# Altium PCB base-32-bit.PcbDoc (part 1 of 3)
Units mm, origin at the board's own origin, x right, y up, seen from the top; angles counter-clockwise.
Board outline 35.56 x 44.45 mm, 4 copper layers (Top Layer, GND, PWR, Bottom Layer), stack 0.603 mm thick; 71 components, 133 nets, 539 pads, 361 vias.
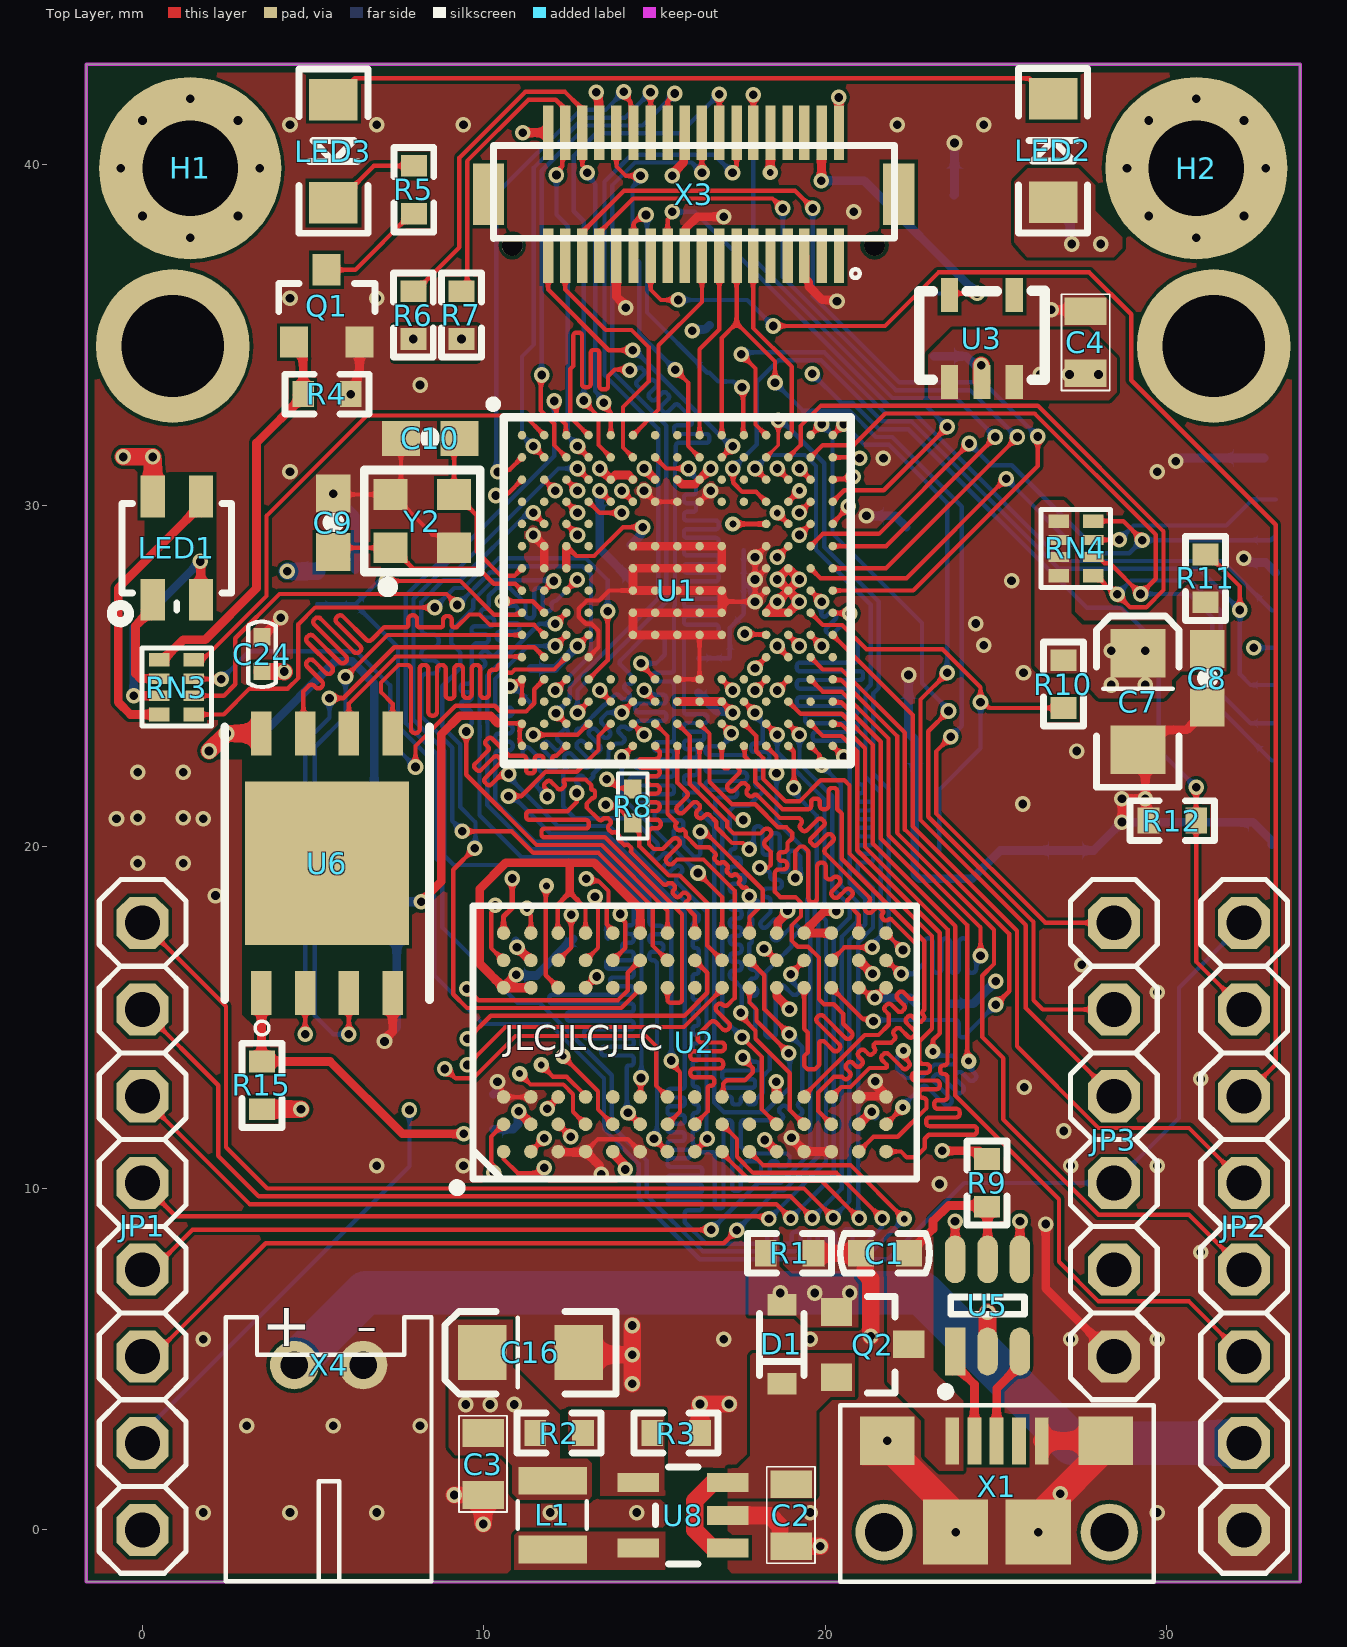
[diagram p0: Top Layer view]
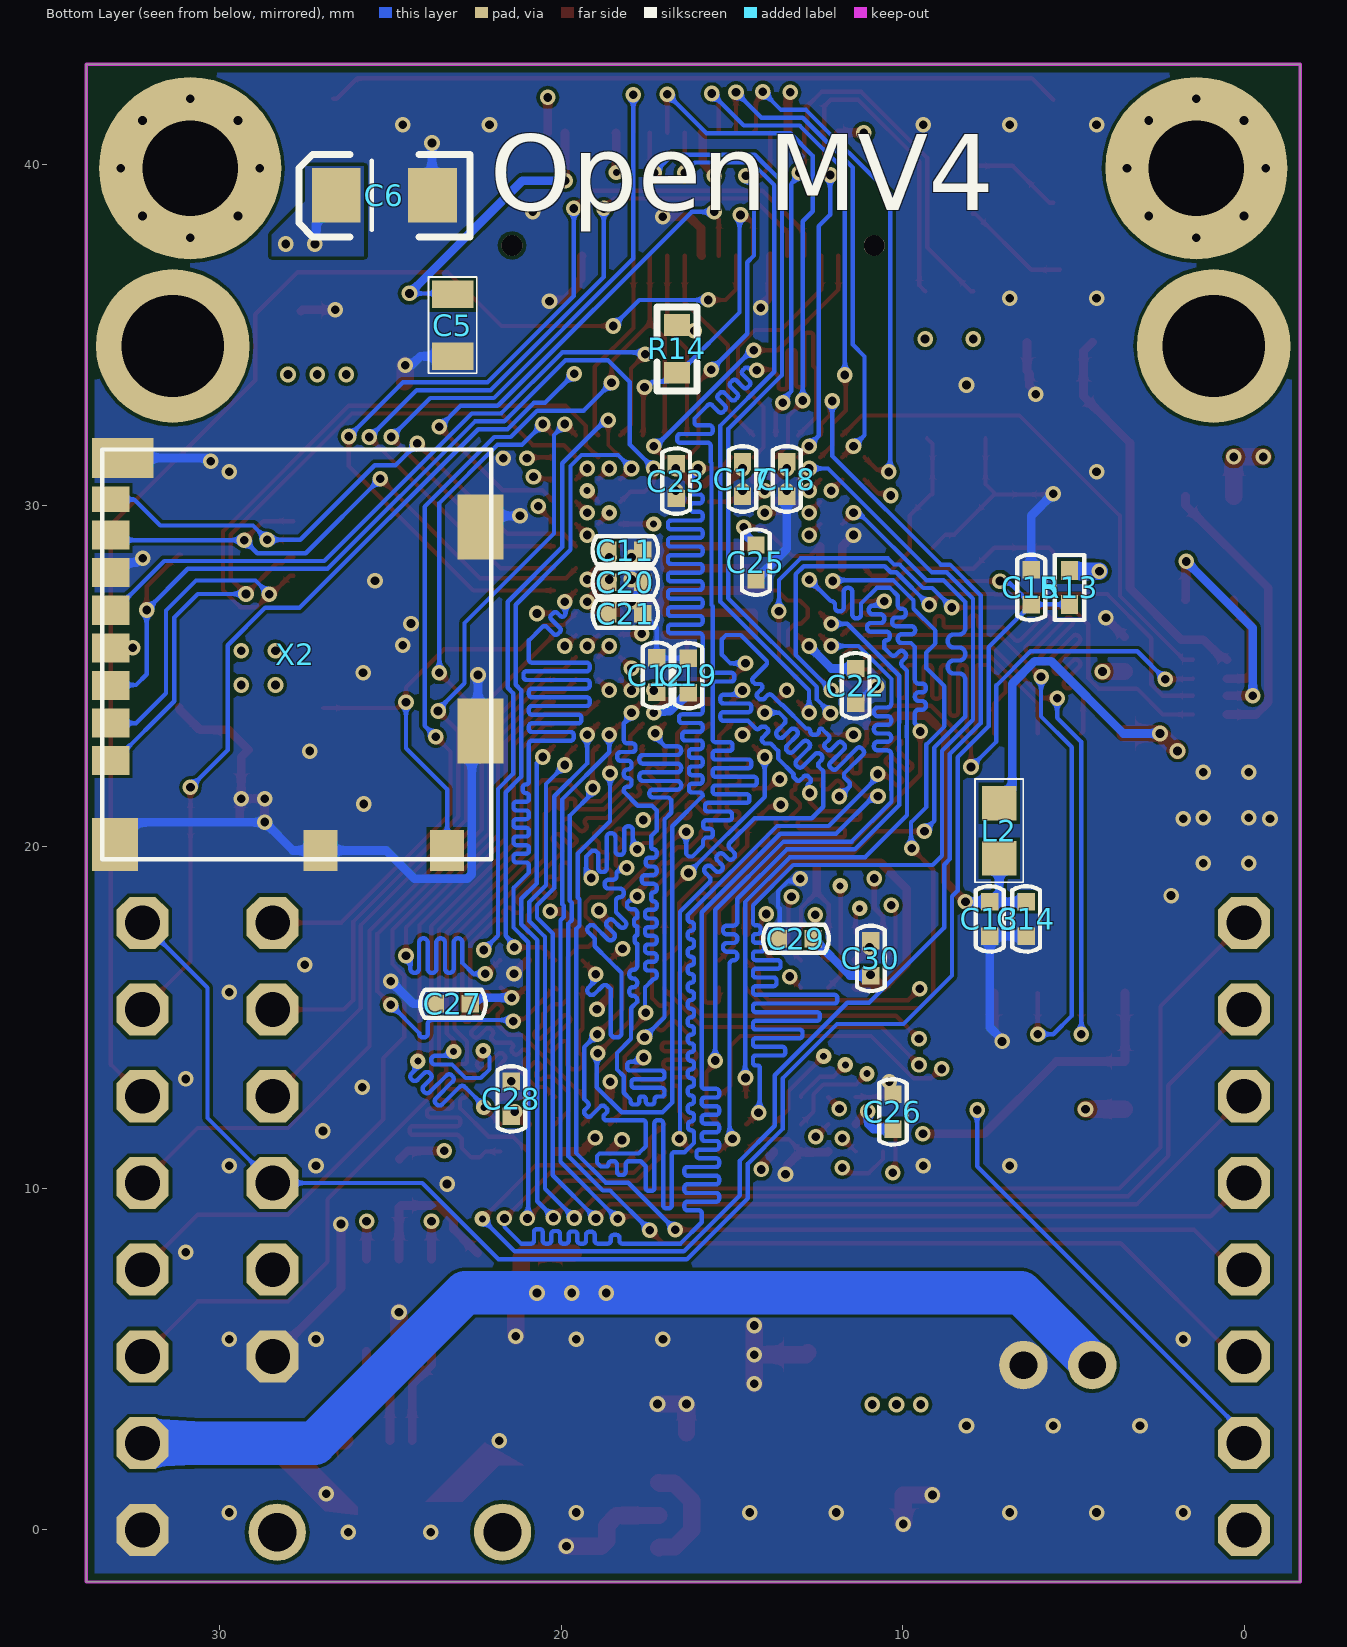
[diagram p1: Bottom Layer view, seen from below]
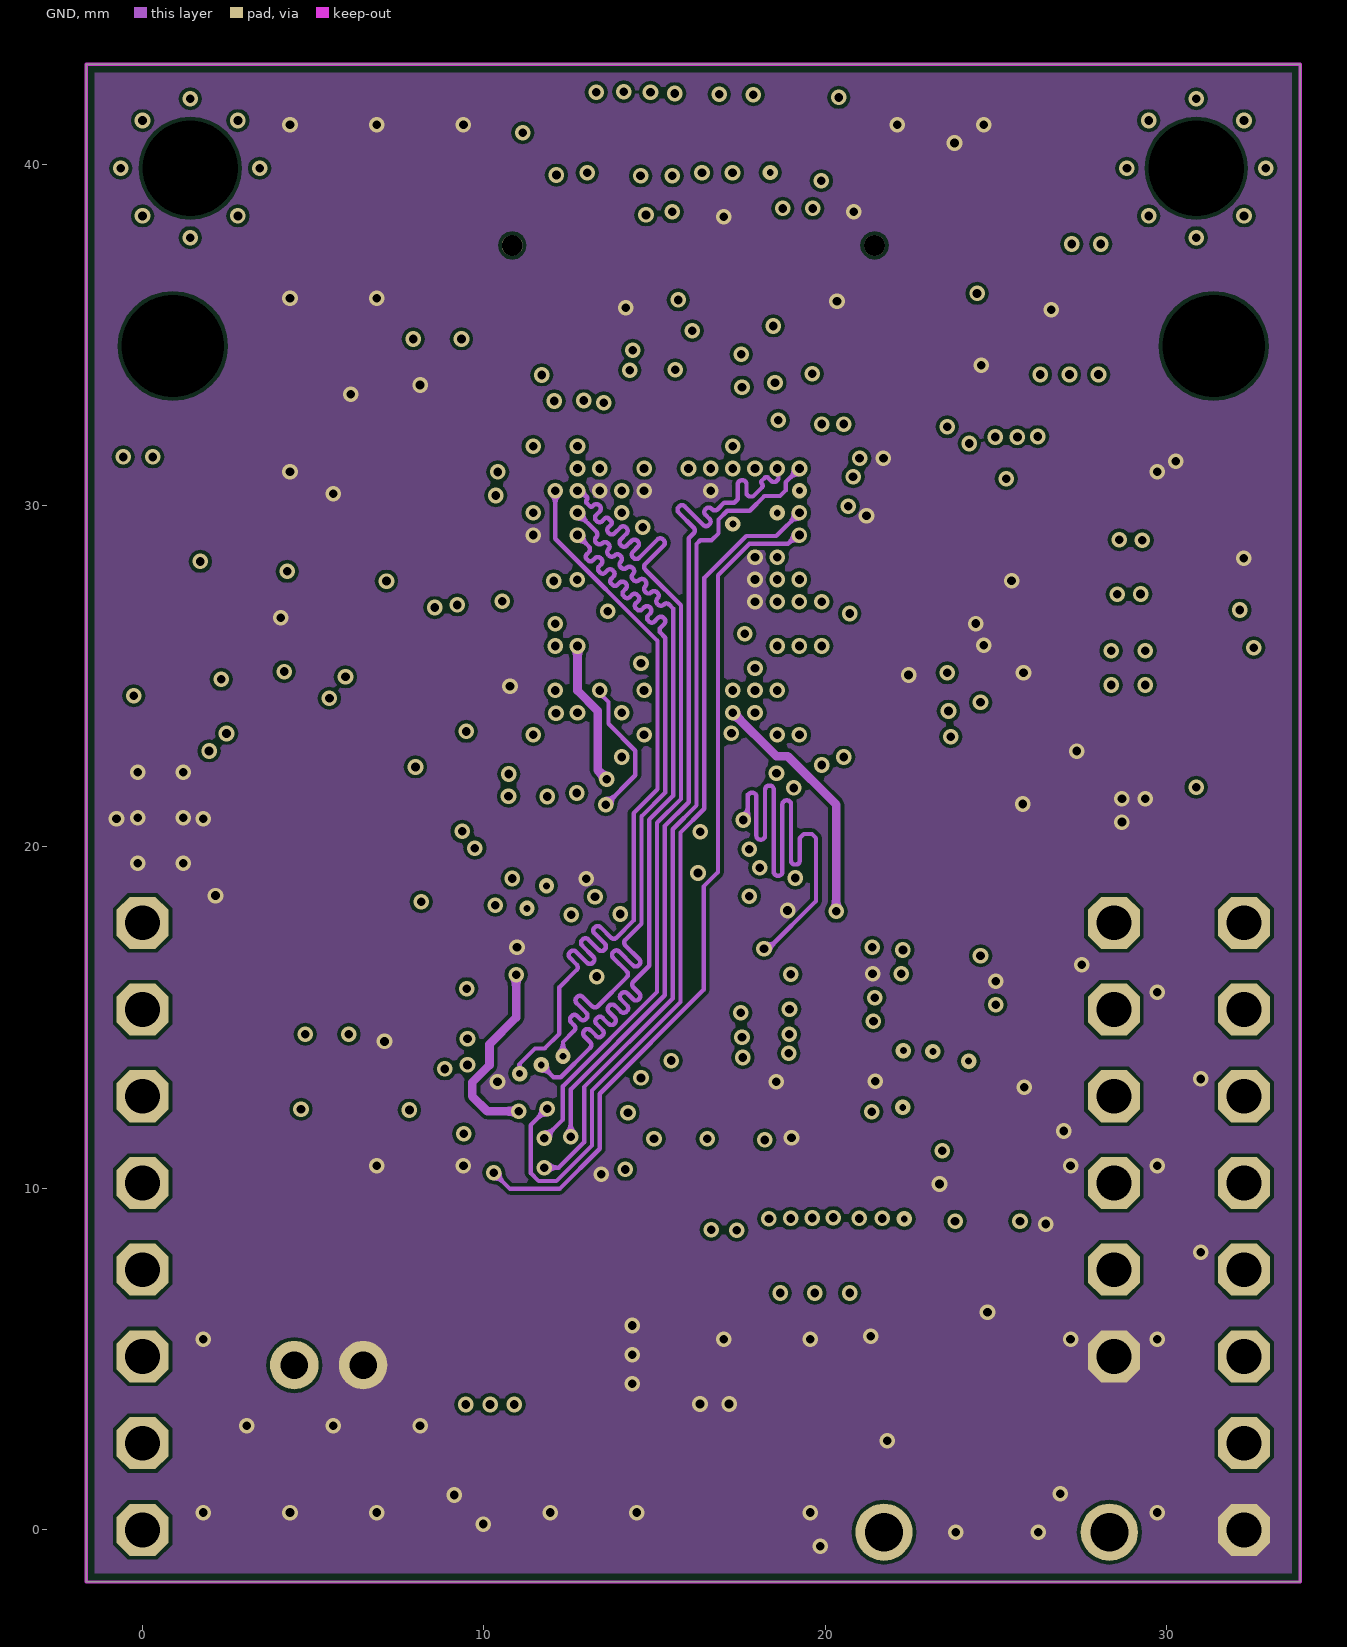
[diagram p2: GND]
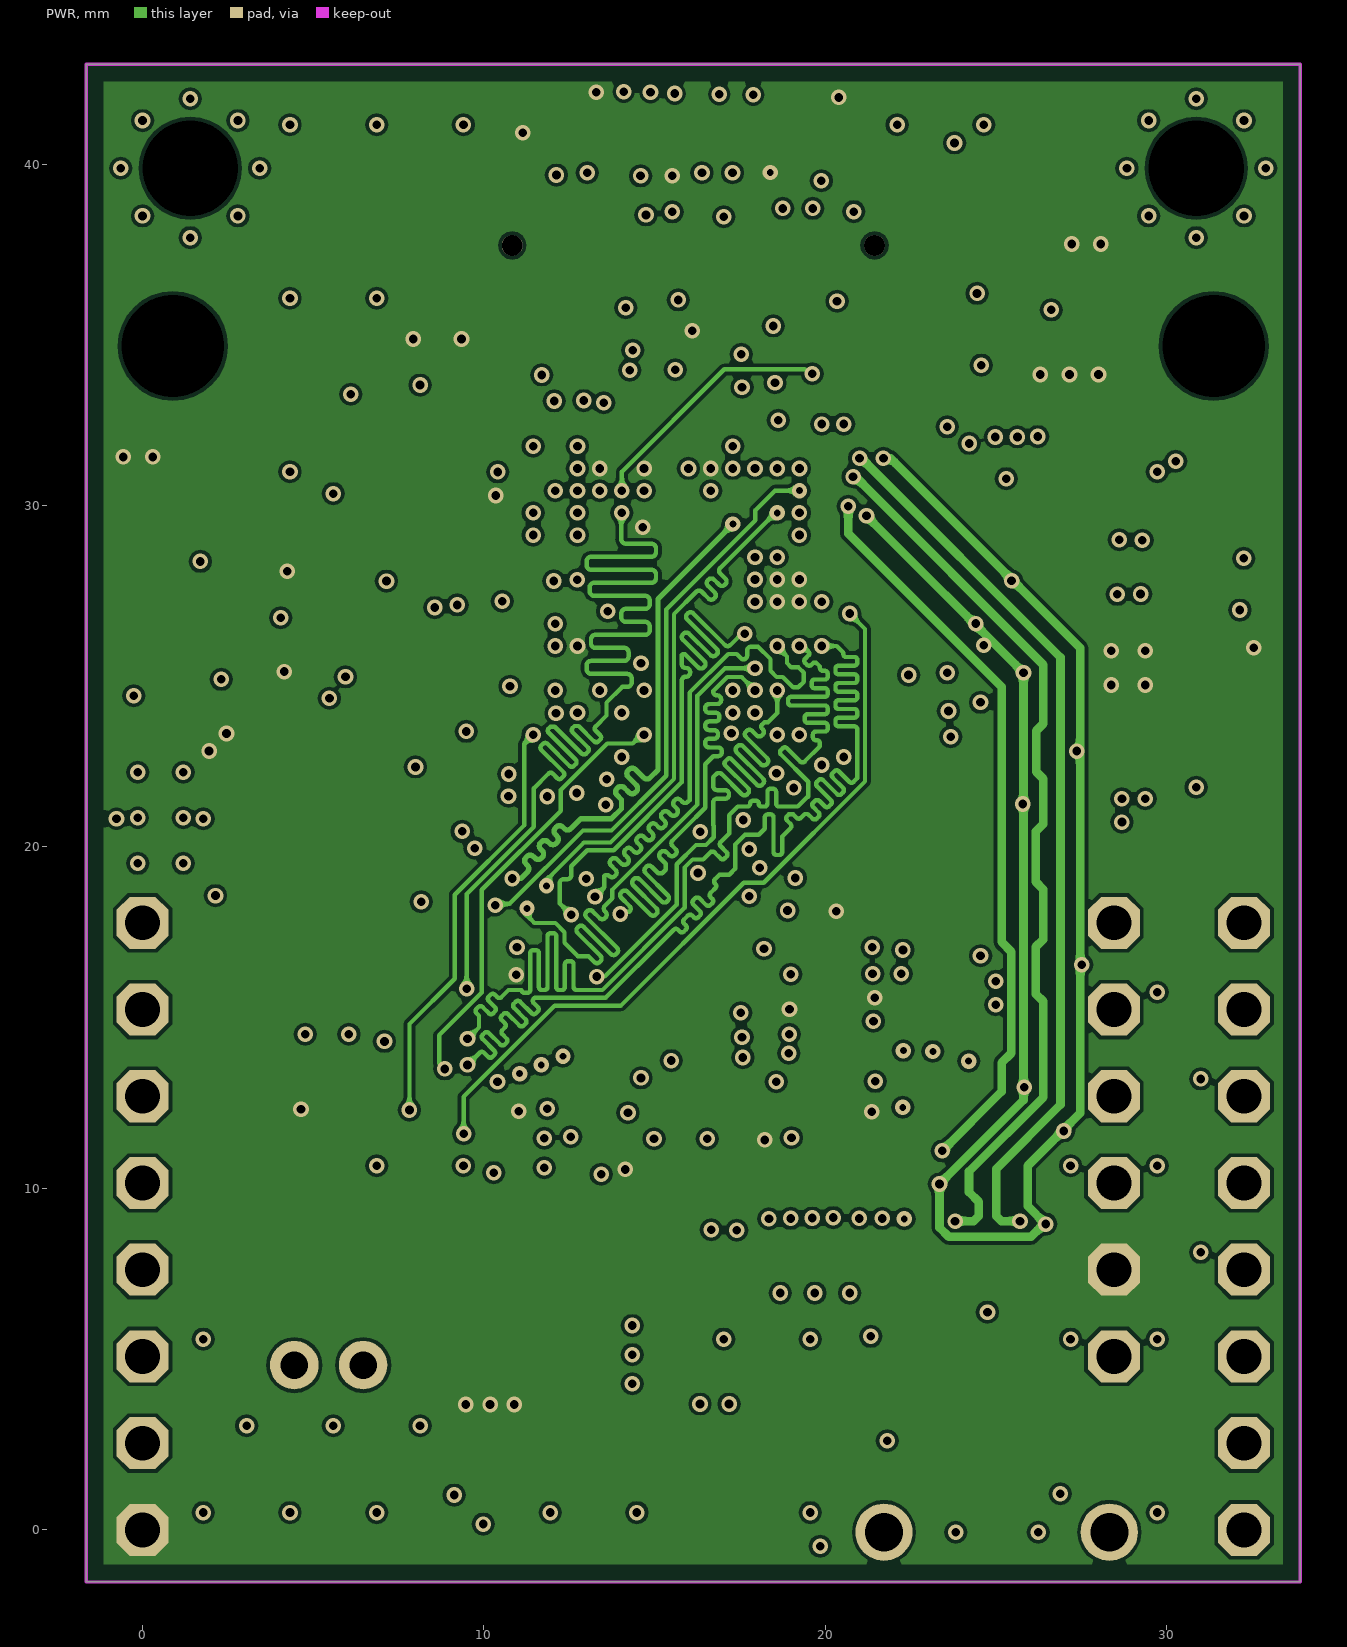
[diagram p3: PWR]
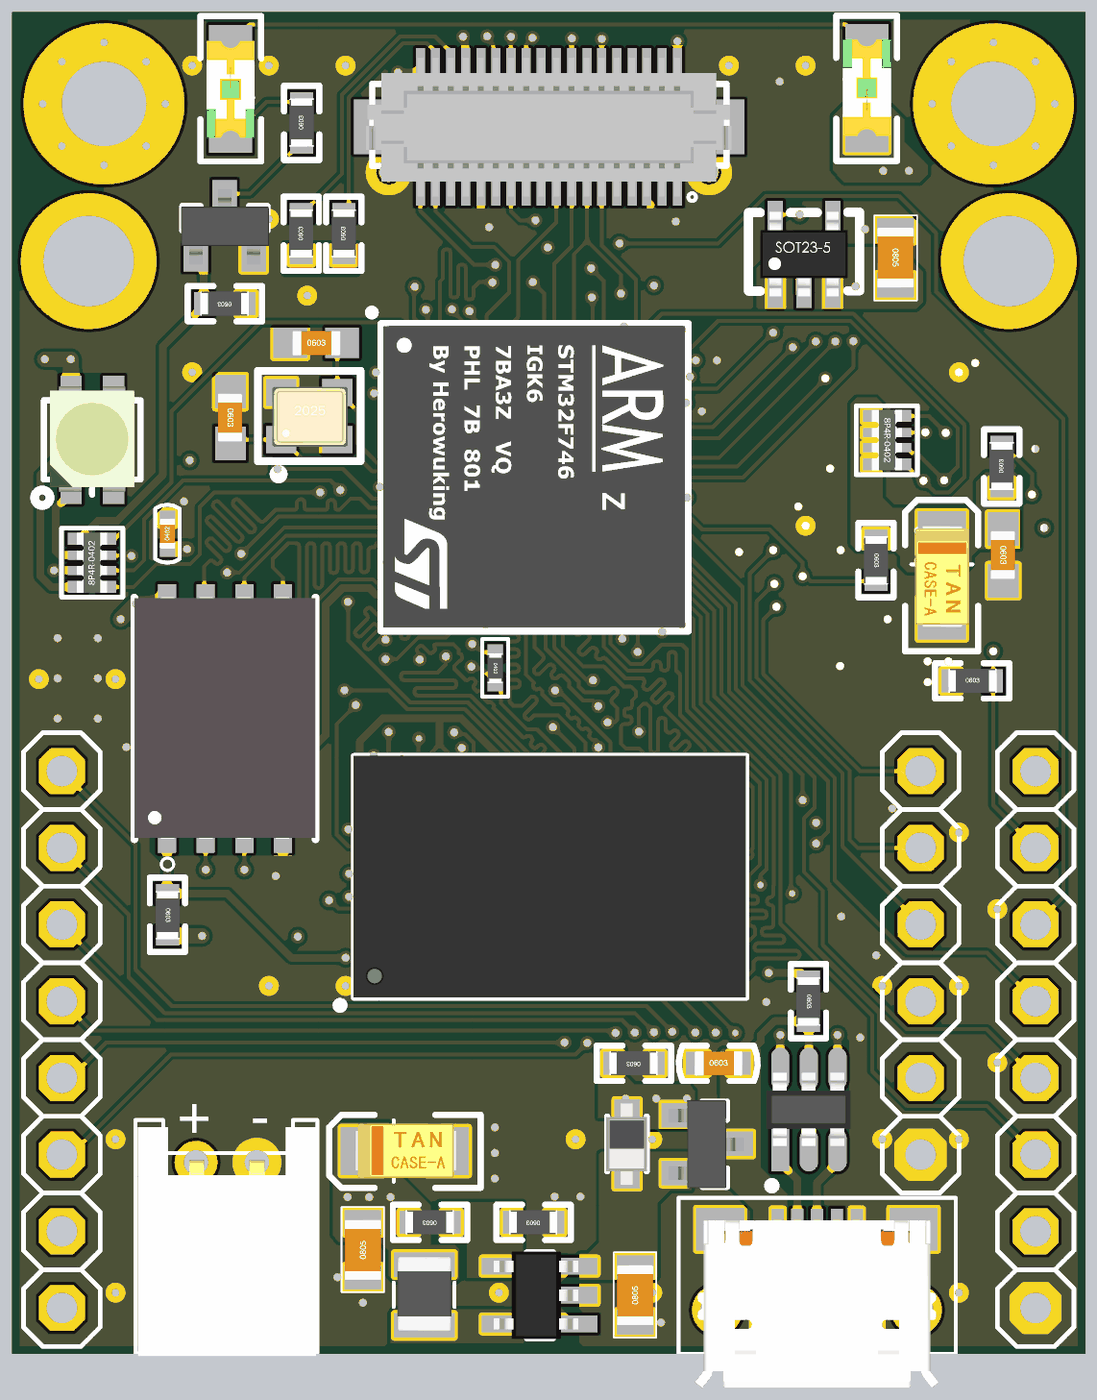
[diagram p6: 3D render of the assembled board from above, using the file's embedded part models]
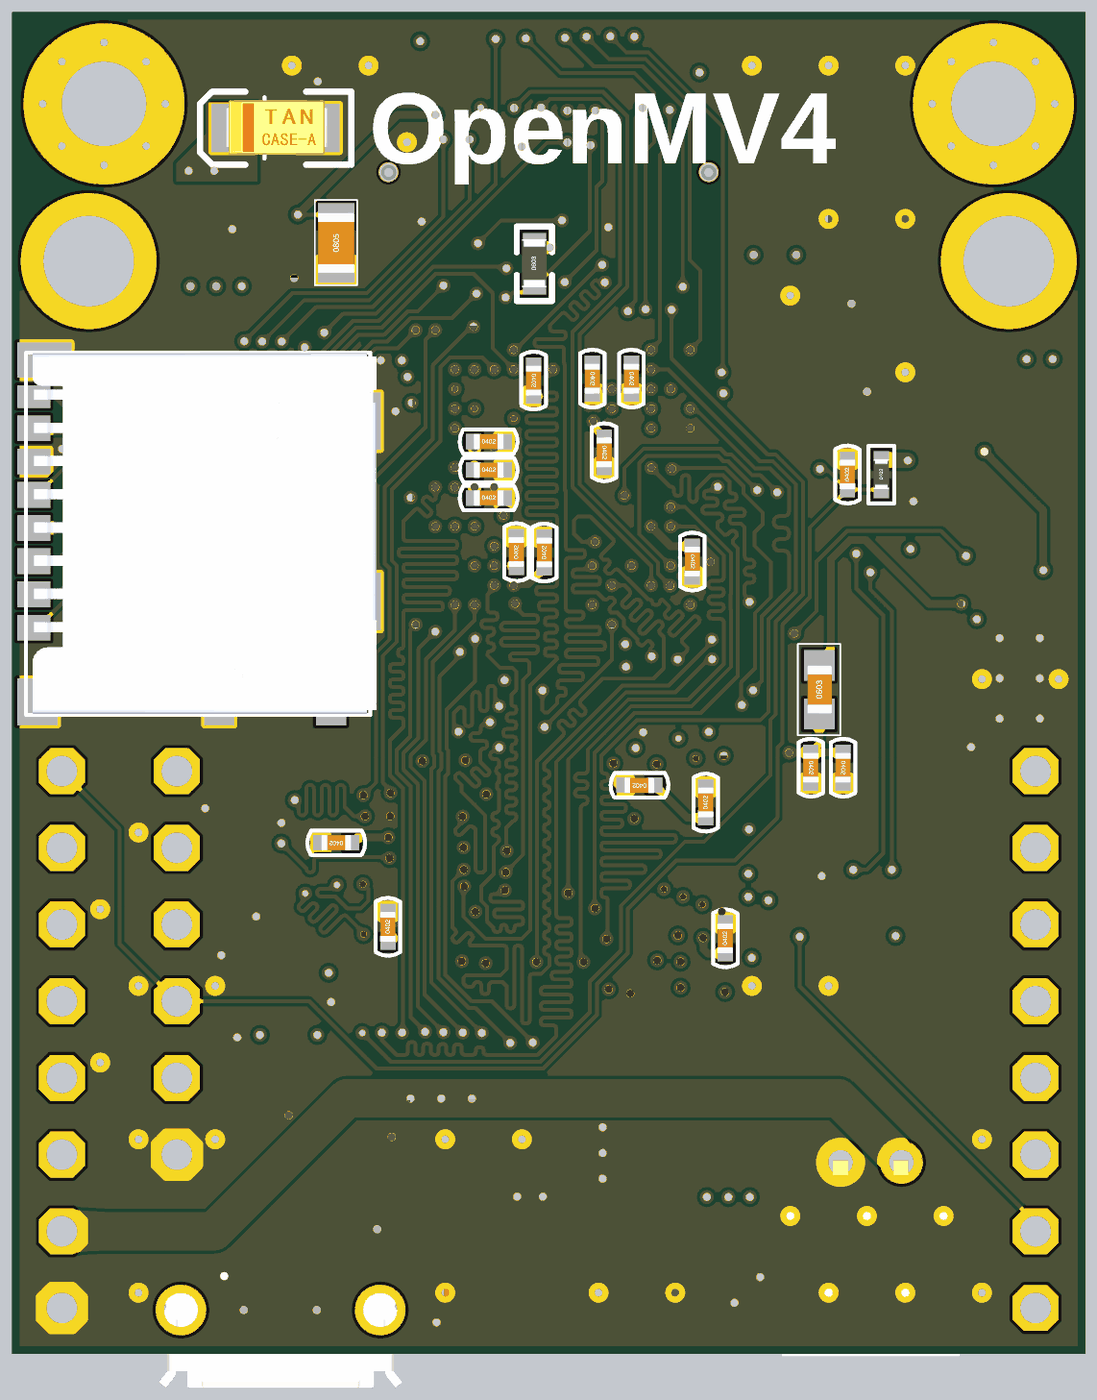
[diagram p7: 3D render of the assembled board from below, using the file's embedded part models]

## Layer stack, top to bottom
Top Solder: solder mask 0.0102, Solder Resist, Dk 3.5
Top Layer: signal copper 0.0356
Dielectric 2: prepreg 0.0711, PP-006, Dk 4.1
GND: signal copper 0.035
Dielectric 1: dielectric 0.32, FR-4, Dk 4.8
PWR: signal copper 0.035
Dielectric 3: prepreg 0.0711, PP-006, Dk 4.1
Bottom Layer: signal copper 0.0356
Bottom Solder: solder mask 0.0102, Solder Resist, Dk 3.5

## Board outline
-1.651,-1.524 33.909,-1.524 33.909,42.926 -1.651,42.926

## Design rules (kind name [scope] priority, off if disabled: settings)
BoardOutlineClearance PWR [OnLayer('PWR')] p1: gap=0.508 ignorepadtopadclearanceinfootprint=FALSE except(0: Arc-SplitContinuation Track-SplitContinuation SMDPad-SplitContinuation THPad-SplitContinuation Via-SplitContinuation Fill-SplitContinuation Poly-SplitContinuation Region-SplitContinuation Text-SplitContinuation)
BoardOutlineClearance [All] p2: gap=0.254 ignorepadtopadclearanceinfootprint=FALSE except(0: Arc-SplitContinuation Track-SplitContinuation SMDPad-SplitContinuation THPad-SplitContinuation Via-SplitContinuation Fill-SplitContinuation Poly-SplitContinuation Region-SplitContinuation Text-SplitContinuation)
Clearance [All] p1: gap=0.102 ignorepadtopadclearanceinfootprint=TRUE except(0: Arc-Hole Track-Hole SMDPad-Hole THPad-Hole Via-Hole Fill-Hole Poly-Hole Region-Hole Text-Hole)
DiffPairsRouting USB [InDifferentialPair ('USB')] p1: maxlimit=0.254 minlimit=0.254 mostfreqgap=0.254 toplayer_minwidth=0.127 toplayer_maxwidth=0.254 toplayer_prefwidth=0.254 midlayer1_minwidth=0.127 midlayer1_maxwidth=0.254 midlayer1_prefwidth=0.254 midlayer2_minwidth=0.127 midlayer2_maxwidth=0.254 midlayer2_prefwidth=0.254 bottomlayer_minwidth=0.127 bottomlayer_maxwidth=0.254 bottomlayer_prefwidth=0.254 maxuncoupledlength=12.7
DiffPairsRouting [All] p2: maxlimit=0.254 minlimit=0.102 mostfreqgap=0.254 toplayer_minwidth=0.381 toplayer_maxwidth=0.381 toplayer_prefwidth=0.381 midlayer1_minwidth=0.381 midlayer1_maxwidth=0.381 midlayer1_prefwidth=0.381 midlayer2_minwidth=0.381 midlayer2_maxwidth=0.381 midlayer2_prefwidth=0.381 bottomlayer_minwidth=0.381 bottomlayer_maxwidth=0.381 bottomlayer_prefwidth=0.381 maxuncoupledlength=12.7
MatchedLengths USB_1 [InDifferentialPair ('USB')] p1: tolerance=0.127 checknetsindiffpair=FALSE checkdiffpairvsdiffpair=TRUE checkxsignals=TRUE checkothers=TRUE usedelayunits=FALSE
PlaneConnect [All] p1: planeconnectstyle=Direct reliefexpansion=0.508 reliefentries=4 reliefconductorwidth=0.254 reliefairgap=0.254
PolygonConnect [All] p1: connectstyle=Direct reliefconductorwidth=0.254 reliefentries=4 polygonreliefangle="90 Angle" airgapwidth=0.254
RoutingVias [All] p1: holewidth=0.203 width=0.45 viastyle="Through Hole" minholewidth=0.203 minwidth=0.45 maxholewidth=0.305 maxwidth=0.61
SolderMaskExpansion [All] p1: expansion=0.102
Width [All] p1: maxlimit=5.08 minlimit=0.102 preferedwidth=0.102
28 further rules are at their usual default settings.

## Classes and differential pairs
net class DRAM: DRAM_BA0 DRAM_BA1 DRAM_CAS DRAM_CLK DRAM_CLKE DRAM_CS DRAM_DQM0 DRAM_DQM1 DRAM_DQM2 DRAM_DQM3 DRAM_RAS DRAM_WE
net class DRAM-A: DRAM_A0 DRAM_A1 DRAM_A2 DRAM_A3 DRAM_A4 DRAM_A5 DRAM_A6 DRAM_A7 DRAM_A8 DRAM_A9 DRAM_A10 DRAM_A11
net class DRAM24-31: DRAM_D24 DRAM_D25 DRAM_D26 DRAM_D27 DRAM_D28 DRAM_D29 DRAM_D30 DRAM_D31
net class DRAM16-23: DRAM_D16 DRAM_D17 DRAM_D18 DRAM_D19 DRAM_D20 DRAM_D21 DRAM_D22 DRAM_D23
net class DRAM8-15: DRAM_D8 DRAM_D9 DRAM_D10 DRAM_D11 DRAM_D12 DRAM_D13 DRAM_D14 DRAM_D15
net class DRAM0-7: DRAM_D0 DRAM_D1 DRAM_D2 DRAM_D3 DRAM_D4 DRAM_D5 DRAM_D6 DRAM_D7
net class FLASH: FLASH_IO0 FLASH_IO1 FLASH_IO2 FLASH_IO3
net class USB: FS_DM FS_DP
differential pair USB: +FS_DM -FS_DP

## Components (designator, comment, footprint, x,y, rotation, side; value= is the part's Value field where it differs from the comment)
C1 "0.1UF" C0603 21.044,8.103 r0 top locked
C2 "22uF" 0805 18.993,0.424 r90 top locked
C3 "22uF" 0805 9.976,1.923 r90 top locked
C4 "1uF" 0805 27.616,34.789 r270 top locked
C5 "1uF" 0805 23.171,35.273 r90 bottom locked
C6 "47uF" EIA3216 25.165,39.083 r0 bottom locked
C7 "47uF" EIA3216 29.153,24.249 r90 top locked
C8 "0.1uF" 0603-CAP 31.185,24.949 r270 top locked
C9 "12pF" 0603-CAP 5.585,29.499 r270 top locked
C10 "12pF" 0603-CAP 8.419,31.966 r0 top locked
C11 "2.2uF" C0402 18.116,28.667 r180 bottom locked
C12 "2.2uF" C0402 17.176,25.035 r90 bottom locked
C13 "1uF" C0402 7.473,17.891 r270 bottom locked
C14 "0.1uF" C0402 6.406,17.891 r270 bottom locked
C15 "1uF" C0402 6.207,27.607 r90 bottom locked
C16 "47uF" EIA3216 11.372,5.198 r180 top locked
C17 "0.1uF" C0402 14.712,30.776 r270 bottom locked
C18 "0.1uF" C0402 13.417,30.776 r270 bottom locked
C19 "0.1uF" C0402 16.249,25.023 r90 bottom locked
C20 "0.1uF" C0402 18.116,27.728 r180 bottom locked
C21 "0.1uF" C0402 18.116,26.801 r180 bottom locked
C22 "0.1uF" C0402 11.398,24.718 r270 bottom locked
C23 "0.1uF" C0402 16.655,30.712 r270 bottom locked
C24 "0.1uF" C0402 3.525,25.646 r90 top locked
C25 "0.1uF" C0402 14.319,28.337 r270 bottom
C26 "0.1uF" C0402 10.255,12.246 r90 bottom locked
C27 "0.1uF" C0402 23.171,15.434 r0 bottom locked
C28 "0.1uF" C0402 21.431,12.627 r90 bottom
C29 "0.1uF" C0402 13.125,17.339 r0 bottom locked
C30 "0.1uF" C0402 10.902,16.742 r90 bottom
D1 "BAT60BE6327" SOD-323 18.726,5.428 r90 top locked
H1 "MOUNT-PAD-ROUND2.8" 2,8-PAD 1.397,39.878 r90 top locked
H2 "MOUNT-PAD-ROUND2.8" 2,8-PAD 30.861,39.878 r270 top locked
JP1 "PINHD-1X8" 1X08 0,8.89 r270 top locked
JP2 "PINHD-1X8" 1X08 32.258,8.89 r270 top locked
JP3 "PINHD-1X6" 1X06 28.448,11.43 r270 top locked
L1 "4.7uH/1.4A" 1007 12.008,0.44 r180 top locked
L2 "MPZ1608S181ATAH0" 0603 7.168,20.469 r90 bottom locked
LED1 "LED-TRICOLOR" LED-TRICOLOR-SMD 1.003,28.74 r180 top locked
LED2 "VSMY12850" LED-1206 26.67,40.386 r90 top locked
LED3 "VSMY12850" LED-1206 5.588,40.386 r270 top locked
Q1 "BSS138" SOT23-3 5.389,35.785 r0 top locked
Q2 "Si2301BDS" SOT23-3 21.324,5.436 r270 top locked
R1 "10K" R0603 19.647,8.103 r180 top locked
R2 "453K" R0603 12.897,2.837 r180 top locked
R3 "100K" R0603 16.326,2.837 r180 top locked
R4 "10K" R0603 6.1,33.261 r180 top locked
R5 "10R" R0603 7.944,38.549 r90 top locked
R6 "4.7K" R0603 7.931,34.878 r90 top locked
R7 "4.7K" R0603 9.34,34.878 r90 top locked
R8 "10K" R0402 14.357,21.695 r270 top locked
R9 "560R" R0603 24.733,10.862 r270 top locked
R10 "10K" R0603 26.969,25.468 r270 top locked
R11 "10K" R0603 31.134,27.17 r90 top locked
R12 "10K" R0603 29.458,20.769 r0 top locked
R13 "10K" R0402 5.111,27.105 r90 bottom locked
R14 "10K" R0603 16.605,33.887 r90 bottom locked
R15 "10K" R0603 3.498,13.72 r270 top locked
RN3 "220R" RCA-8P4R-0402 0.996,24.68 r90 top locked
RN4 "220R" RCA-8P4R-0402 27.336,28.744 r270 top locked
U1 "STM32H743IIK6" UFBGA-201_L10.0-W10.0-P0.65-TL_STM32H743IIK6 15.387,27.532 r0 top locked
U2 "IS42S32800" BGA-90-8000X13000DE 10.574,11.08 r90 top locked
U3 "ME6211C33M5G-N" SOT-23-5 23.634,33.622 r0 top locked
U5 "USBLC6-2SC6" SOT-23-6 23.796,5.225 r0 top locked
U6 "W25Q256JV" WSON-8_L8.0-W6.10-P1.27-BL-EP 5.404,19.525 r0 top locked
U8 "PAM2305AABADJ" TSOT25 17.139,-0.526 r90 top locked
X1 "MF-CON-MICROUSB-RIGHT" MICROUSB-RIGHT 25.013,1.338 r0 top locked
X2 "USD-1040310811" 1040310811 33.441,31.638 r270 bottom
X3 "DF12-36-DS" DF12-36-DS 16.129,39.116 r0 top locked
X4 "S2B-PH-K-S(LF)(SN)" JST-PH-2-THM-RA 5.461,4.826 r180 top locked
Y2 "12M" OSC-SMD_4P-L2.5-W2.0-BL 8.195,29.542 r0 top locked
